# Altium PCB PCB.PcbDoc (continued)
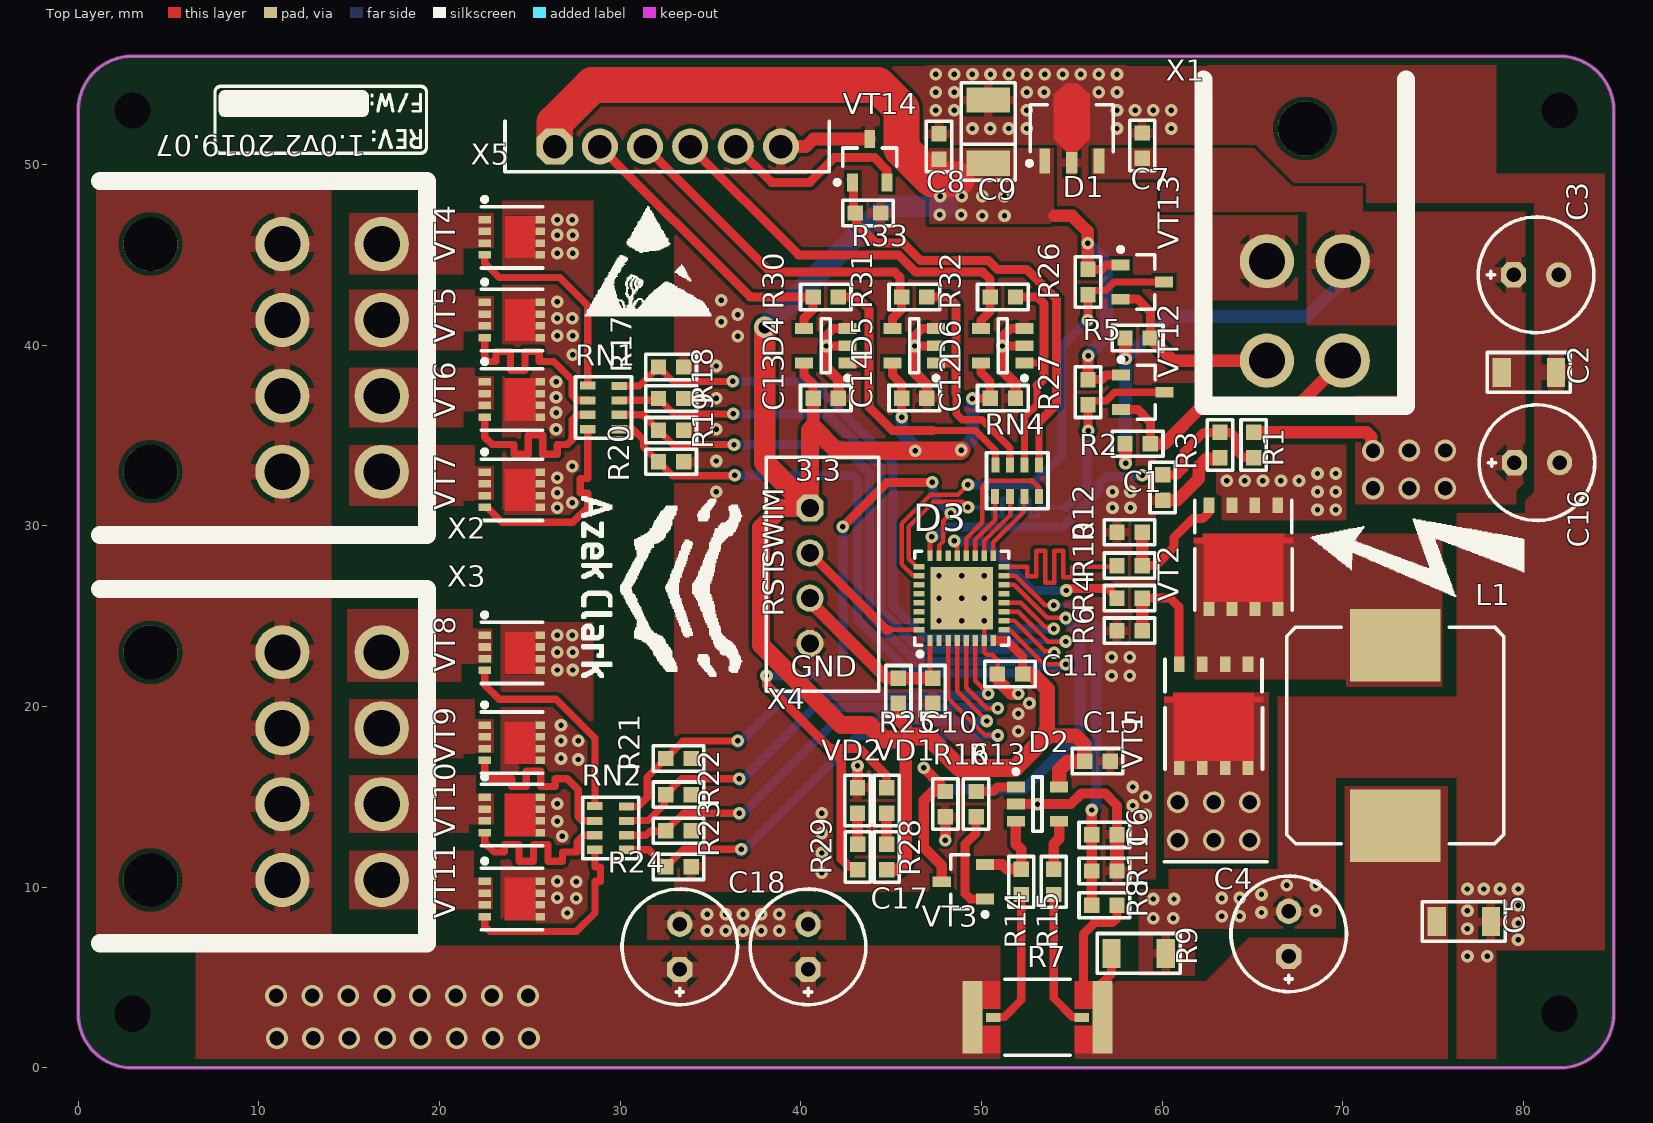
[diagram p0: Top Layer view]
## Footprints (in the part's own frame and the unit in brackets; to place one, negate y for a bottom-side part, rotate by r counter-clockwise, add the part's x,y. Pads: shape width x height; smd on the part's side, far side on the other; paste and mask are expansions set on the pad) (continued)
  silkscreen extent -9.8,-12.85 9.8,5.25, body extent -9,-16.45 9,3.36, height 11.33
D6.3C2.5H11 [mm] "Polar capacitor, diameter 6.3 mm, leads clearance 2.5 mm, height 11 mm"
  oct 1.4x1.4 hole 0.8: 1(-1.25,0)
  round 1.4 hole 0.8: 2(1.25,0)
  silkscreen extent -3.2,-3.2 3.2,3.2, body extent -3.4,-3.4 3.4,3.4, height 12.5
"IND: CDRH127" [mm]
  rect 4x5 smd: 1(-5,0) 2(5,0)
  silkscreen extent -6,-6 6,6, body extent -6,-6 6,6, height 8.05
"SHNT: CRA2512" [mm]
  rect 1.1x4 smd: 1(-3.6,0) 2(3.6,0)
  rect 0.8x0.5 smd: 3(-2.45,0) 4(2.45,0)
  Top Layer region: 3.05,2 2.05,2 2.05,0.45 3.05,0.45
  Top Layer region: 3.05,-0.45 2.05,-0.45 2.05,-2 3.05,-2
  Top Layer region: -3.05,0.45 -2.05,0.45 -2.05,2 -3.05,2
  Top Layer region: -3.05,-2 -2.05,-2 -2.05,-0.45 -3.05,-0.45
  silkscreen extent -1.8,-2.1 1.8,2.1, body extent -3.32,-1.77 3.33,1.78, height 1.1
SOT23-5 [mm] "SOT23, 5-Leads, Body 2,90x2,80mm, Pitch 0,95mm, IPC Medium Density"
  rect 1x0.6 smd: 1(-1.2,0.95) 2(-1.2,0) 3(-1.2,-0.95) 4(1.2,-0.95) 5(1.2,0.95)
  round 0.5 on Mech1: ""(-1.1,1.1)
  silkscreen extent -1.32,-1.5 0.25,1.92, body extent -1.5,-1.5 1.5,1.5, height 1.3
SOT23_132 [mm] "SOT23, 3-Leads, Body 3,0x2,6mm (max), Pitch 0,95mm, IPC Medium Density"
  rect 1x0.6 smd: 1(-1.2,0.95) 2(-1.2,-0.95) 3(1.2,0)
  round 0.5 on Mech1: ""(-0.9,1.1)
  silkscreen extent -1.33,-1.5 0.7,1.92, body extent -1.32,-1.52 1.32,1.52, height 1.12
SOT89_123 [mm] "SOT89, 3-Leads, Body 4,50x2,45mm, Pitch 1,50mm, Lead Span 4,1mm, IPC Medium Density"
  rect 1.4x0.6 smd: 1(-1.8,1.5) 3(-1.8,-1.5)
  rect 1.2x0.65 smd: 2(-1.9,0)
  round 0.5 on Mech1: ""(-1.8,1.8)
  Top Layer region: -1.3,0.3 -0.6,1 1.9,1 2.5,0.3 2.5,-0.3 1.9,-1 -0.6,-1 -1.3,-0.3
  silkscreen extent -2.05,-2.3 1.32,2.47, body extent -2.3,-2.25 2,2.25, height 1.51
TANTAL_B [mm]
  rect 1.4x2.4 smd: 1(-1.75,0) 2(1.75,0)
  round 0.5 on Mech1: ""(-1.4,1)
  silkscreen extent -2.7,-1.5 2.7,1.5, body extent -1.85,-1.46 1.85,1.47, height 2.03
"TRANS: PowerDI®3333-8" [mm] "8 leads, 0.65mm pitch, 3.3mm x 3.3mm body"
  rect 0.42x0.7 smd: 1(-0.975,1.5) 2(-0.325,1.5) 2(0.325,1.5) 2(0.975,1.5)
  rect 0.42x0.54 smd: 3(-0.975,-1.58) 3(-0.325,-1.58) 3(0.325,-1.58) 3(0.975,-1.58)
  Top Layer region: 1.185,0.4 -1.185,0.4 -1.185,-1.31 1.185,-1.31
  silkscreen extent -1.7,-1.7 2.2,1.7, body extent -1.65,-1.65 1.65,1.65, height 0.85

## Part data
C1 C6 C10 C11 C12 C13 C14 C15: library part Capacitor
C2 C5: library part Capacitor, Manufacturer=Murata, ComponentKind="50V, X7R", HelpURL=https://www.chipdip.ru/product/grm31cr71h475ka12l, Model=GRM31CR71H475KA12
C3 C4 C16 C17 C18: library part AlumCap, Manufacturer=BURNON, ComponentKind=35V, HelpURL=https://www.chipdip.ru/product0/8001594426, Model=-
C7 C8: library part Capacitor, Manufacturer="Murata Electronics Inc.", ComponentKind=X5R, HelpURL=https://www.terraelectronica.ru/product/2094261, Model=GRM188R71C105KE15D
C9: library part TantalCap
D1: library part L78LxxACUTR, "Step-down", Manufacturer="ST Microelectronics", ComponentKind="SOT-89, 100mA", HelpURL=https://www.st.com/resource/en/datasheet/l78l.pdf, Model=L78L33ACUTR
D2: library part MCP6001T, "OP amplifier", Manufacturer="Microchip Technology", ComponentKind=SOT23-5, HelpURL=https://www.digikey.com/product-detail/en/microchip-technology/MCP6001T-I-OT/MCP6001T-I-OTCT-ND/697158, Model=MCP6051T-E/OT
D3: "STM8", Manufacturer="ST Microelectronics", ComponentKind=UFQFPN28, HelpURL=https://ru.mouser.com/datasheet/2/389/stm8l151c4-956418.pdf, Model=STM8L151GxU6
D4 D5 D6: "OP amplifier", Manufacturer="Microchip Technology", ComponentKind=SOT23-5, HelpURL=https://www.digikey.com/product-detail/en/microchip-technology/MCP6001T-I-OT/MCP6001T-I-OTCT-ND/697158, Model=MCP6001T-I/OT
L1: library part Inductor, Manufacturer="Sumida Electric", ComponentKind=5.4A, HelpURL=https://www.chipdip.ru/product0/9000523882, Model=SCDS127T-100M-N
R1 R2 R3 R4 R5 R6 R8 R9 R10 R11 R12 R13 R14 R15 R16 R17 R18 R19 R20 R21 R22 R23 R24 R25 R26 R27 R28 R29 R30 R31 R32 R33: library part Resistor
  R1 R3 R8 R11: ComponentKind=±1%
R7: library part Shunt, Manufacturer=Bourns, ComponentKind=3W, HelpURL=https://static6.arrow.com/aropdfconversion/58bb460c8d6e9e02f20276cbc5e1de2f00a5855b/815cra.pdf, Model=CRA2512-FZ-R010ELF
RN1 RN2 RN4: library part "Resistor assembly", Manufacturer="Bourns GmbH.", HelpURL=https://www.terraelectronica.ru/pdf/show?pdf_file=https%253A%252F%252Fwww.mouser.com%252Fds%252F2%252F54%252FATCAY-777361.pdf, Model=CAT16-J4
VD1 VD2: library part LED
VT1 VT2: library part N-chanel, "Mosfet", Manufacturer=Rohm, ComponentKind="40V, 13A, 61mOm", HelpURL=https://www.rohm.com/datasheet/RQ3L050GN/rq3l050gntb-e, Model=RS1G120MNTB
VT3 VT12 VT13 VT14: library part N-chanel, "Mosfet", Manufacturer="ON Semiconductor", ComponentKind="0.2À, 60Â", HelpURL=https://static.chipdip.ru/lib/318/DOC000318735.pdf, Model=2N7002
VT4 VT5 VT6 VT7 VT8 VT9 VT10 VT11: library part N-chanel, "Mosfet", Manufacturer="Diodes Incorporated", ComponentKind="30V, 10A", HelpURL=https://www.diodes.com/assets/Datasheets/DMG7430LFG.pdf, Model=DMG7430LFG-7
X1 X4: library part 4-Connector
  X1: Model=MF-4MRA
  X4: Model=CWF-4
X2 X3: library part 8-Connector, Model=MF-8MRA
X5: library part 6-Connector, Model=CWF-6RB

## Free pads (board coordinates)
  round 0 hole 2 unplated paste+0: 0(3,3) 0(3,53) 0(82,53) 0(82,3)

## Via types
v1: diameter 0.7, hole 0.3, Top Layer to Bottom Layer, tented both sides, 198 vias
v2: diameter 1.2, hole 0.8, Top Layer to Bottom Layer, 28 vias
v3: diameter 0.7, hole 0.3, Top Layer to Bottom Layer, tented bottom, 9 vias
v4: diameter 1.2, hole 0.7, Top Layer to Bottom Layer, tented both sides, 1 vias

## Nets (pads, with @x,y where several pads share a name; then routed paths per layer and width w, separated by ;. In a path a pad name is that pad's centre, name@x,y a point inside that pad or via, vN(x,y) a via of type N, cw(c..) or ccw(c..) an arc to the next point about the centre after c; other vN are vias at no path point)
DCDC_ADC_VFB: C6.1 D3.15 R8.1 R11.2 | length 21.8
  Top Layer w0.25: D3.15 51.88,27.25 53.305,25.825 53.53,25.6 v1(54,25.6)
  Top Layer w0.6: R8.1 R11.2 C6.1 v1(56.1,14.275)
  Bottom Layer w0.25: v1(54,25.6) 55.225,25.6 56.35,24.475
  Bottom Layer w0.6: v1(56.1,14.275) 56.35,14.525 56.35,24.475
DCDC_ISENSE: D3.14 R16.2 VT3.3 | length 29.4
  Top Layer w0.25: D3.14 51.809,26.75 53.634,24.925 54.63,24.925 v1(54.655,24.9)
  Top Layer w0.6: v1(46.8,16.615) 47.684,15.732 47.684,15.616 R16.2 47.3,15.3 46.8,14.8 46.8,12.2 47.8,11.2 VT3.3
  Bottom Layer w0.6: v1(46.8,16.615) 47.99,15.425 52.35,15.425 55.455,18.53 55.455,24.073 54.655,24.873 v1(54.655,24.9)
DCDC_PWM_N: D3.16 R10.1 | length 13.7
  Top Layer w0.25: D3.16 51.78,27.75 52.03,27.75 52.53,27.75 52.53,27.222 53.03,27.222 53.03,27.75 53.03,28.634 53.53,28.634 53.53,27.75 53.53,26.866 54.03,26.866 54.03,27.75 54.03,28.634 54.53,28.634 54.53,27.75 54.53,27.157 55.03,27.157 55.03,27.75 55.225,27.75 55.875,27.75 57.2,27.75 R10.1@57.325,27.625
DCDC_PWM_P: D3.21 R4.1 | length 11.3
  Top Layer w0.25: v1(48.5,29.169) 48.5,29.047 48.65,28.897 D3.21
  Top Layer w0.5: v1(54.7,26.425) 54.7,26.475 54.748,26.523 57.032,26.523 57.325,26.23 57.325,26.175 R4.1
  Bottom Layer w0.5: v1@48.527,29.151 50.014,29.151 50.041,29.125 50.095,29.18 52.85,26.425 v1(54.7,26.425)
DCDC_VINSENSE: C1.1 D3.24 R1.1 R3.2 | length 23
  Top Layer w0.25: D3.24 47.15,29.3 v1(47.25,29.4)
  Top Layer w0.5: v1(58.9,32.8) 59.995,32.8 C1.1 60.842,32.83 61.205,33.193 61.205,34.08 62.305,35.18 R3.2 63.807,35.18 64.155,34.832 64.155,34.13 64.505,33.78 R1.1
  Bottom Layer w0.5: v1(47.25,29.4) 47.483,29.4 48.012,29.93 54.479,29.93 56.5,31.951 56.5,32.295 56.93,32.725 58.286,32.725 58.322,32.762 58.862,32.762 v1(58.9,32.8)
GND: C1.2 C2.1 C3.2 C4.2 C5.1 C6.2 C7.1 C8.1 C9.2 C10.1 C11.2 C12.1 C13.1 C14.1 C15.1 C16.2 C17.2 C18.2 D1.2 D2.2 D3.0 D3.7 D4.2 D4.3 D5.2 D5.3 D6.2 D6.3 R3.1 R6.1 R9.1 R11.1 R12.1 R16.1 R17.1 R18.1 R19.1 R20.1 R21.1 R22.1 R23.1 R24.1 R33.1 VD2.2 VT2.3 VT4.3 VT5.3 VT6.3 VT7.3 VT8.3 VT9.3 VT10.3 VT11.3 VT14.3 X1.2 X4.4 X5.6 | length 47.6
  Top Layer w0.25: v3(48.9,26) v3(50.15,24.75) D3.7 50.15,23.015 50.296,22.868 50.6,22.868 50.904,22.565 50.904,21.824 C11.2
  Top Layer w0.5: v1(41.4,39.957) v1@41.409,39.966 ; D4.2 42.571,39.966 v1@41.409,39.966 ; D4.3 41.8,40.925 41.409,40.534 v1@41.409,39.966 ; D5.2 47.471,39.966 46.309,39.966 46.309,40.534 46.7,40.925 D5.3 ; v1(51.15,39.957) v1@51.159,39.966 ; D6.2 52.371,39.966 v1@51.159,39.966 ; D6.3 51.58,40.925 51.188,40.534 51.188,39.995 v1@51.159,39.966
  Top Layer w0.55: D2.2 54.945,14.6 55.545,15.2 56.832,15.2 57.5,14.532 C6.2
  Top Layer w0.6: v1(41.4,39.957) 41.4,38.768 42.08,38.089 C13.1 ; VD2.2 v1@43.137,16.418 ; v1@46.309,39.966 v1(46.3,39.957) 46.3,38.489 46.98,37.809 C14.1 ; v1(48,12.6) R16.1 ; v1(51.15,39.957) 51.15,38.6 51.88,37.87 C12.1
  Top Layer w0.7: R24.1 R24.1@34,11.05 ; X5.6 40.28,51 40.7,51.42 VT14.3 ; C11.2 50.955,21.725 50.955,21.414 51.663,20.706 v1(52.03,20.706) ; C1.2@59.995,31.4 C1.2 60.842,31.43 62.03,32.618 62.03,33.295 62.44,33.705 63.13,33.705 R3.1
  Top Layer w0.8: R11.1 C6.2
  other v1: 76.9,6.17 78,6.17 79.7,7.1 34.808,7.6 35.85,7.6 36.8,7.6 37.8,7.6 38.8,7.6 76.9,7.7 79.7,8 59.5,8.287 60.605,8.287 63.3,8.4 64.3,8.4 34.808,8.5 35.85,8.5 36.8,8.5 37.8,8.5 38.8,8.5 27.075,8.575 65.5,8.6 68.5,8.7 76.9,8.7 79.7,9 59.5,9.35 60.655,9.35 27.575,9.395 63.3,9.4 64.3,9.4 26.515,9.423 65.5,9.6 76.9,9.9 77.8,9.9 78.7,9.9 79.7,9.9 66.9,10.1 68.5,10.1 27.575,10.3 26.515,10.325 41.15,10.797 41.15,11.897 26.8,12.815 41.15,12.997 26.515,13.65 59.1,14 41.15,14.097 58.375,14.525 53.1,14.6 26.515,14.612 59.1,15 58.375,15.55 43.137,16.718 27.675,17.071 26.725,17.129 26.725,18.108 27.675,18.108 52.03,18.625 26.725,18.975 52.03,19.6 52.655,20.175 57.2,21.7 58.2,21.7 26.515,22.023 27.375,22.023 57.2,22.725 58.2,22.725 26.515,23 27.375,23 26.515,23.95 27.35,23.95 68.6,30.9 69.6,30.9 26.515,31 57.25,31 58.25,31 27.35,31.275 26.515,31.825 35.308,31.9 57.25,31.9 58.25,31.9 68.6,31.9 69.6,31.9 63.575,32.5 64.575,32.5 65.58,32.5 66.575,32.5 67.575,32.5 26.515,32.657 68.6,32.9 69.6,32.9 27.35,33.3 35.308,33.591 26.45,35.35 35.308,35.35 26.45,36.275 35.308,37.075 26.45,37.119 26.45,37.975 35.308,38.85 27.375,39.475 36.5,40.5 26.515,40.534 27.375,40.534 35.6,41.3 26.515,41.5 27.35,41.5 36.5,41.7 26.515,42.405 35.6,42.5 26.515,45.1 27.375,45.1 26.515,46.1 27.375,46.1 26.515,46.95 27.35,46.95 49.5,52 50.48,52 51.5,52 52.5,52 57.5,52 60.5,52 47.471,53 48.5,53 52.5,53 57.5,53 58.5,53 59.5,53 60.5,53 47.471,54 48.5,54 52.5,54 53.463,54 56.5,54 57.5,54 47.471,55 48.5,55 49.5,55 50.5,55 51.5,55 52.5,55 53.5,55 54.5,55 55.5,55 56.5,55 57.5,55
  other v3: 47.65,24.75 48.9,24.75 47.65,26 50.15,26 47.65,27.25 48.9,27.25 50.15,27.25
I2C_IN_SCL: R5.1 VT13.2 X1.4 | length 10.4
  Top Layer w0.5: VT13.2 58.645,42.55 59.345,41.85 R5.1
  Top Layer w0.7: R5.1 60.595,39.15 X1.4
I2C_IN_SDA: R2.1 VT12.2 X1.3 | length 15.7
  Top Layer w0.5: VT12.2 58.645,36.45 59.345,35.75 R2.1
  Top Layer w0.7: R2.1 60.12,34.55 62.295,36.725 67.575,36.725 X1.3
IRRANGE_ADC_1: D3.17 RN4.7 | length 4
  Top Layer w0.25: D3.17 50.65,29.089 52.38,30.819 RN4.7
IRRANGE_ADC_2: D3.18 RN4.6 | length 3.9
  Top Layer w0.25: D3.18 50.15,29.169 51.58,30.598 RN4.6
IRRANGE_ADC_3: D3.19 RN4.5 | length 3.7
  Top Layer w0.25: D3.19 49.65,29.234 50.755,30.339 RN4.5
IRRANGE_LEDs: D3.20 RN4.8 | length 8.1
  Top Layer w0.25: D3.20 49.152,28.352 49.152,29.302 50.05,30.2 50.05,32.175 50.375,32.5 52.72,32.5
  Top Layer w0.3: 52.72,32.5 52.809,32.5 53.18,32.13 RN4.8
NetC4_1: C4.1 C5.2 L1.1 R7.1 R8.2 R9.2 | length 11.3
  Top Layer w0.5: 55.6,3.9 56.4,3.9 R7.1@56.7,3.6 ; 55.655,4.05 55.65,4.055 55.65,7.42 56.266,8.036 57.25,8.036 57.5,8.287 R8.2 ; R7.1 R7.1@56.7,3.6 ; R9.2 57.2,5.22 56.7,4.72 R7.1@56.7,3.6
NetD2_1: D2.1 R13.2 | length 2.3
  Top Layer w0.5: R13.2 50.65,15.3 50.9,15.55 D2.1
NetD2_3: D2.3 R14.1 VT3.2 | length 4.9
  Top Layer w0.6: VT3.2 51.15,11.25 51.4,11 R14.1 52.2,12.1 51.9,12.4 D2.3
NetD2_4: D2.4 R15.1 | length 2.8
  Top Layer w0.6: R15.1 54,12.4 54.3,12.7 D2.4
NetD4_1: D4.1 R30.2 RN4.4 | length 17.4
  Top Layer w0.4: 47.3,35.275 49.675,35.275 50.78,34.17 RN4.4
  Top Layer w0.5: R30.2 43.1,42.675 43.775,42 43.775,39.025 ; D4.1 43.775,39.025 ; 47.3,35.275 45.078,35.275 43.775,36.578 43.775,39.025
NetD4_4: D4.4 R30.1 X5.2 | length 17.2
  Top Layer w0.5: X5.2 37.2,42.675 R30.1 40.68,42 40.18,41.5 D4.4
NetD5_1: D5.1 R31.2 RN4.3 | length 13.7
  Top Layer w0.4: 48.6,37.325 48.6,36.211 48.936,35.875 50.025,35.875 51.58,34.32 RN4.3
  Top Layer w0.5: R31.2 48.15,42.675 48.6,42.225 48.6,39.02 ; D5.1 47.484,39.02 48.6,39.02 ; 48.6,37.325 48.6,39.02
NetD5_4: D5.4 R31.1 X5.3 | length 20.2
  Top Layer w0.5: X5.3 38.325,44.05 45.2,44.05 45.5,43.75 45.5,42.755 R31.1 45.58,42 45.08,41.5 D5.4
NetD6_1: D6.1 R32.2 RN4.2 | length 12
  Top Layer w0.4: D6.1@52.375,39.02 D6.1 53.238,39.025 ; RN4.2 52.38,36.025 53.08,36.725 53.08,37.775
  Top Layer w0.5: R32.2 53.08,42.675 53.463,42.292 53.463,38.8 53.463,38.158 53.08,37.775
NetD6_4: D6.4 R32.1 X5.4 | length 22.6
  Top Layer w0.5: X5.4 39.875,45 45.4,45 46.35,44.05 50.075,44.05 50.48,43.645 R32.1 50.48,41.875 49.98,41.375 D6.4
NetL1_2: L1.2 VT1.3 VT2.2
NetR4_2: R4.2 R6.2 VT1.1 | length 7.2
  Top Layer w0.5: R4.2 60.455,26 60.945,25.51 VT1.1 VT1.1@60.93,22.365
  Top Layer w0.7: R6.2 R4.2
NetR7_3: R7.3 R15.2 | length 7.7
  Top Layer w0.45: R15.2 54,3.87 55.045,2.825 55.525,2.825 R7.3
NetR7_4: R7.4 R14.2 | length 7.8
  Top Layer w0.45: R7.4 50.675,2.825 51.275,2.825 52.2,3.75 R14.2
NetR10_2: R10.2 R12.2 VT2.1 | length 7.5
  Top Layer w0.5: R10.2 59.639,27.8 60.655,28.816 60.655,29.35 61.705,30.4 62.239,30.4 62.58,30.741 62.58,31.135 VT2.1
  Top Layer w0.7: R10.2 R12.2
NetR13_1: R13.1 VT3.1 | length 5.7
  Top Layer w0.5: R13.1 49.7,13 49.1,12.4 49.1,9.643 49.393,9.35 VT3.1
NetR28_1: R28.1 VD1.1 | length 1.7
  Top Layer w0.6: R28.1 VD1.1
NetR29_2: R29.2 VD2.1 | length 1.7
  Top Layer w0.6: VD2.1@43.137,13.8 VD2.1@43.143,13.793 ; VD2.1 43.143,14.093 VD2.1@43.143,13.793 ; R29.2 43.143,12.382 VD2.1@43.143,13.793
NetR33_2: R33.2 RN4.1 VT14.1 | length 24.8
  Top Layer w0.4: RN4.1 53.18,35.75
  Top Layer w0.5: VT14.1@42.78,49.166 VT14.1@42.83,49.216 ; VT14.1 42.916,48.97 42.916,47.42 R33.2 43.09,47.245 43.09,46.73 44.17,45.65 45.655,45.65 45.669,45.65 46.619,44.7 50.38,44.7 50.88,44.2 52.505,44.2 54.155,42.55 54.155,36.725 53.18,35.75
NetRN1_5: RN1.5 VT4.1 | length 11.5
  Top Layer w0.4: VT4.1 22.5,44.55 23.3,43.75 26.65,43.75 28.2,42.2 RN1.5
NetRN1_6: RN1.6 VT5.1 | length 11.5
  Top Layer w0.4: VT5.1 22.5,39.325 22.725,39.1 23.125,39.1 23.125,39.657 23.925,39.657 23.925,39.1 23.925,38.604 24.725,38.604 24.725,39.1 24.725,39.657 25.525,39.657 25.525,39.1 26.2,39.1 26.325,39.1 27.35,38.075 27.35,37.225 27.625,36.95 RN1.6
NetRN1_7: RN1.7 VT6.1 | length 11.5
  Top Layer w0.4: VT6.1 22.5,34.915 22.915,34.5 23.315,34.5 24.115,34.5 24.115,33.968 24.915,33.968 24.915,34.5 24.915,35.032 25.715,35.032 25.715,34.5 25.715,33.968 26.515,33.968 26.515,34.5 27.075,34.5 27.35,34.775 27.35,35.875 27.625,36.15 RN1.7
NetRN1_8: RN1.8 VT7.1 | length 11.5
  Top Layer w0.4: VT7.1 22.64,31.025 23.465,30.2 27.375,30.2 28.2,31.025 28.2,31.425 28.2,31.825 27.79,31.825 27.79,32.625 28.2,32.625 28.2,33.188 RN1.8
NetRN2_5: RN2.5 VT8.1 | length 11.9
  Top Layer w0.4: VT8.1 22.5,21.2 23.3,20.4 26.45,20.4 28.6,18.25 RN2.5
NetRN2_6: RN2.6 VT9.1 | length 11.3
  Top Layer w0.4: VT9.1 22.5,16.3 22.8,16 23.2,16 24,16 24,15.582 24.8,15.582 24.8,16 24.8,16.418 25.6,16.418 25.6,16 25.6,15.582 26.4,15.582 26.4,16 26.725,16 27.075,16 27.675,15.4 27.675,13.9 27.9,13.675 RN2.6
NetRN2_7: RN2.7 VT10.1 | length 11.3
  Top Layer w0.4: VT10.1 22.5,12.463 23.012,11.95 23.2,11.95 23.6,11.95 23.6,12.359 24.4,12.359 24.4,11.95 24.4,11.432 25.2,11.432 25.2,11.95 25.2,12.358 26,12.358 26,11.95 26,11.432 26.8,11.432 26.8,11.95 27.625,11.95 27.625,12.525 27.975,12.875 RN2.7
NetRN2_8: RN2.8 VT11.1 | length 11.3
  Top Layer w0.4: VT11.1 22.5,7.85 22.8,7.55 27.575,7.55 28.6,8.575 28.6,9.125 28.6,10.325 28.913,10.325 28.913,11.125 28.6,11.125 28.6,11.525 RN2.8
NetVT4_2: VT4.2 X2.5
NetVT5_2: VT5.2 X2.6
NetVT6_2: VT6.2 X2.7
NetVT7_2: VT7.2 X2.8
NetVT8_2: VT8.2 X3.5
NetVT9_2: VT9.2 X3.6
NetVT10_2: VT10.2 X3.7
NetVT11_2: VT11.2 X3.8
NetVT14_2: VT14.2 X5.5 | length 10.4
  Top Layer w0.5: X5.5 38.38,49.02 40.5,49.02 41.862,50.383 43.816,50.383 ; 44.083,50.383 44.766,49.7 VT14.2
PWM_LED1_BLUE: D3.11 R18.2 RN1.3 | length 39.4
  Top Layer w0.25: D3.11 52.03,25.25 53.68,23.6 v1(54.655,23.6)
  Top Layer w0.4: RN1.3 32.025,36.95 R18.2 32.975,36.2 v1(36.25,36.2)
  Bottom Layer w0.3: 51.9,23.6 51.925,23.625 54.63,23.625 v1(54.655,23.6)
  Bottom Layer w0.5: v1(36.25,36.2) 41.456,36.2 44.45,33.206 44.45,25.324 46.624,23.15 51.45,23.15 51.9,23.6
PWM_LED1_GREEN: D3.12 R17.2 RN1.4 | length 38.9
  Top Layer w0.25: D3.12 52.18,25.75 53.544,24.386 53.914,24.386 v1(54,24.3)
  Top Layer w0.4: RN1.4 31.075,37.75 R17.2 32.925,38 v1(36.225,38)
  Bottom Layer w0.5: v1(36.225,38) 40.575,38 45.1,33.475 45.1,25.593 46.893,23.8 51.15,23.8 51.65,24.3 v1(54,24.3)
PWM_LED1_RED: D3.10 R19.2 RN1.2 | length 38.1
  Top Layer w0.25: D3.10 51.825,24.75 53.514,23.061 53.939,23.061 v1(54.025,22.975)
  Top Layer w0.4: RN1.2 31.275,36.15 R19.2 32.925,34.5 v1(36.3,34.5)
  Bottom Layer w0.5: v1(36.3,34.5) 42.237,34.5 43.8,32.937 43.8,25.054 46.354,22.5 51.719,22.5 52.194,22.975 v1(54.025,22.975)
PWM_LED1_WW: D3.9 R20.2 RN1.1 | length 39.5
  Top Layer w0.25: D3.9 51.275,24.225 51.588,24.225 53.463,22.35 v1(54.655,22.35)
  Top Layer w0.4: RN1.1 30.7,35.35 31.3,34.75 31.3,34.375 R20.2 32.9,32.775 36.325,32.775 v1(36.35,32.8)
  Bottom Layer w0.5: v1(36.35,32.8) 42.857,32.8 43.15,32.507 43.15,24.785 46.085,21.85 52.175,21.85 52.55,22.225 54.336,22.225 54.422,22.312 54.616,22.312 v1(54.655,22.35)
PWM_LED2_BLUE: D3.5 R22.2 RN2.3 | length 28.3
  Top Layer w0.25: D3.5 49.15,21.047 50.297,19.9 v1(50.9,19.9)
  Top Layer w0.4: RN2.3 30.375,13.7 31.55,13.7 32.45,14.6 R22.2@32.45,15.1 ; R22.2 33.4,16 v1(36.6,16)
  Bottom Layer w0.5: v1@36.6,15.8 40.75,19.95 50.85,19.95 v1(50.9,19.9)
PWM_LED2_GREEN: D3.6 R21.2 RN2.4 | length 26.3
  Top Layer w0.25: D3.6 49.65,21.431 v1(50.375,20.706)
  Top Layer w0.4: RN2.4@30.675,14.475 31,14.475 31.5,14.975 31.5,16.1 31.734,16.334 R21.2 ; R21.2@32.45,17.2 32.6,17.2 33.45,18.05 33.45,18.1 v1(36.5,18.1)
  Bottom Layer w0.5: v1@36.5,17.9 39.2,20.6 50.269,20.6 v1(50.375,20.706)
PWM_LED2_RED: D3.4 R23.2 RN2.2 | length 28
  Top Layer w0.25: D3.4 48.65,20.85 v1(50.3,19.2)
  Top Layer w0.4: RN2.2 31.436,12.875 31.661,13.1 R23.2@32.6,13.1 ; R23.2@32.45,13.2 R23.2 33.5,14.1 v1(36.6,14.1)
  Bottom Layer w0.5: v1@36.6,13.9 41.9,19.2 v1(50.3,19.2)
PWM_LED2_WW: D3.3 R24.2 RN2.1 | length 30.8
  Top Layer w0.25: D3.3 48.15,20.466 50.216,18.4 v1(50.9,18.4)
  Top Layer w0.4: RN2.1 30.354,12.071 31.579,12.071 32.5,11.15 32.55,11.15 33.5,12.1 v1(36.7,12.1)
  Bottom Layer w0.5: v1@36.7,11.9 43.2,18.4 v1(50.9,18.4)
STM8_I2C_SCL: D3.26 R26.1 VT13.3 | length 27.9
  Top Layer w0.25: D3.26 46.525,27.275 46.186,27.275 45.575,27.886 45.575,30.125 47.175,31.725 48.7,31.725 v1(49.25,32.275)
  Top Layer w0.4: R26.1 56.12,43.025 56.88,43.025 57.355,43.5 VT13.3
  Top Layer w0.5: v1(55.875,41.375) 55.885,41.385 55.885,42.79 R26.1
  Bottom Layer w0.5: v1@49.25,32.27 52.82,32.27 54.425,33.875 54.425,39.957 54.718,40.25 54.75,40.25 v1(55.875,41.375)
STM8_I2C_SDA: D3.25 R27.1 VT12.3 | length 28.4
  Top Layer w0.25: D3.25 46.4,27.75 45.975,28.175 45.975,29.959 47.341,31.325 48.95,31.325 v1(49.25,31.025)
  Top Layer w0.4: R27.1 56.12,36.925 56.9,36.925 57.375,37.4 VT12.3
  Top Layer w0.5: R27.1 55.9,36.695 v1(55.9,35.275)
  Bottom Layer w0.25: v1(49.25,31.025) 49.9,31.025 50.15,31.025 50.15,31.507 50.65,31.507 50.65,31.025 50.65,30.543 51.15,30.543 51.15,31.025 51.15,31.507 51.65,31.507 51.65,31.025 51.65,30.543 52.15,30.543 52.15,31.025 52.15,31.507 52.65,31.507 52.65,31.025 52.65,30.543 53.15,30.543 53.15,31.025 53.725,31.025 54.655,31.025
  Bottom Layer w0.5: 54.655,31.025 55.85,32.22 55.85,33.696 55.9,33.746 v1(55.9,35.275)
STM8_RST: C10.2 D3.1 R25.1 X4.3 | length 10.9
  Top Layer w0.25: D3.1 47.15,21.725 C10.2
  Top Layer w0.7: X4.3 40.5,25.825 44.75,21.575 R25.1 C10.2
STM8_STATUS: D3.23 R29.1 VD1.2 | length 40
  Top Layer w0.25: D3.23 47.65,28.916 47.875,29.141 47.875,30.275 v1(48.3,30.7)
  Top Layer w0.5: v1(38.1,21.7) 38.1,21.2 41.625,17.675 ; v1(42.33,29.959) 44.781,32.41 v1(47.28,32.41) ; R29.1 42.975,11.15 42.659,11.15 42.237,11.573 42.237,17.063 41.625,17.675 ; VD1.2 44.75,16.176 43.251,17.675 41.625,17.675
  Bottom Layer w0.5: v1(38.1,21.7) 41.206,21.7 42.33,22.824 v1(42.33,29.959) ; v1(47.28,32.41) 47.318,32.372 47.318,31.682 v1(48.3,30.7)
STM8_SWIM: D3.32 X4.2 | length 7.8
  Top Layer w0.25: 44.85,24.25 D3.32
  Top Layer w0.5: X4.2 44.75,24.25 44.85,24.25
VCC33: C8.2 C9.1 C11.1 C12.2 C13.2 C14.2 C15.2 D1.1 D2.5 D3.8 D4.5 D5.5 D6.5 R25.2 R26.2 R27.2 R28.2 VT12.1 VT13.1 X4.1 X5.1 | length 149.2
  Top Layer w0.5: D4.5 40.18,38.35 40.68,37.85 C13.2 ; D5.5 45.08,38.35 45.58,37.85 C14.2 v1(45.58,36.025) ; v1(49.5,37.05) 49.512,37.063 50.467,37.063 C12.2 50.48,37.98 49.98,38.48 D6.5 ; D3.8@50.8,23.65 51.4,23.65 52.28,22.77 C11.1 ; R27.2 56.655,38.1 56.905,38.35 VT12.1 ; R26.2 56.655,44.2 56.905,44.45 VT13.1
  Top Layer w0.6: R27.2 55.9,38.105 v1(55.9,39.425)
  Top Layer w0.7: 40.68,35.471 C13.2 ; R28.2 45.4,10.975 45.8,11.375 45.8,18.168 ; R25.2 45.4,19.3 45.8,18.9 45.8,18.168 ; 45.972,18.34 45.8,18.168 ; 54.025,47.16 55.015,47.16 55.875,46.3 v1(55.875,45.65) 55.875,44.22 R26.2
  Top Layer w0.8: 53.634,18.394 55.224,18.394 55.693,17.925 55.693,17.007 C15.2 55.693,16.957 54.769,16.957 54.3,16.488 D2.5@54.3,15.7
  Top Layer w0.85: C11.1 52.809,21.8 53.634,20.975 53.634,18.647
  Top Layer w1: 45.8,18.168 44.603,18.168 43.797,18.975 42.239,18.975 37.8,23.414 37.8,29.9 38.9,31 X4.1 40.5,35.291 40.68,35.471 41.99,34.16 v1(46.332,34.16) 48.849,34.16 v1(48.889,34.2) ; 45.972,18.34 47.04,18.34 48.78,16.6 51.84,16.6 53.634,18.394 53.634,18.647
  Top Layer w1.2: v4(38,41) 38,33.5 X4.1
  Top Layer w2: X5.1 26.375,52.325 28.45,54.4 44.27,54.4 45.575,53.095 45.575,50.87 47.28,49.166 48.65,49.166
  Bottom Layer w0.7: v1(45.58,36.025) 45.58,35.145 46.332,34.393 v1(46.332,34.16) ; v1(48.889,34.2) 49.5,34.811 v1(49.5,37.05) ; v1(55.875,45.65) 55.875,45.625 56.93,44.57 56.93,40.455 v1(55.9,39.425)
  Bottom Layer w1.2: v4(38,41) 44.7,47.7 48.1,47.7
  other v1: 50.05,47.16 51.275,47.16 47.698,47.219 48.889,47.219 47.709,48.25 48.9,48.25 50.05,48.25 51.275,48.25
VCCIN: C2.2 C3.1 C7.2 C16.1 D1.3 R1.2 R2.2 R5.2 VT1.2 X1.1 | length 30.4
  Top Layer w0.7: R2.2 57.925,34.53 57.975,34.48 v1(57.975,33.475) ; R5.2 57.975,40.37 v1(57.975,39.251) ; R1.2 71.32,35.18 71.575,34.925 71.575,34.256 v2(71.671,34.16)
  Bottom Layer w0.7: v1(57.975,33.475) v1(57.975,39.251) 60.314,41.59 68.029,41.59 70,43.561 X1.1
  other v2: 60.855,12.6 62.855,12.6 64.855,12.6 60.855,14.7 62.855,14.7 64.855,14.7 71.671,32.075 73.671,32.075 75.671,32.075 73.671,34.175 75.671,34.175
VCCLED: C17.1 C18.1 R7.2 X2.1 X2.2 X2.3 X2.4 X3.1 X3.2 X3.3 X3.4
  other v2: 11,1.647 13,1.647 15,1.647 17,1.647 18.95,1.647 20.95,1.647 22.95,1.647 24.95,1.647 10.95,4 12.95,4 14.95,4 16.95,4 18.9,4 20.9,4 22.9,4 24.9,4
pads on no net: C9. D1. D2. D3.2 D3.13 D3.22 D3.27 D3.28 D3.29 D3.30 D3.31 D4. D5. D6. VT1. VT2. VT3. VT12. VT13. VT14. X1.0 X2.0 X3.0 X4.30 X5.30

## Polygon pours and split planes (outlines as drawn)
GND on Bottom Layer "GND_L02_P046" (solid, remove dead copper, pour order 46): 34.8,48.5 23.5,48.5 23.5,55.5 62.5,55.5 62.5,37.98 59.2,37.98 59.2,10.5 58.2,10.5 58.2,9.8 34.8,9.8
VCC33 on Bottom Layer "VCC33_L02_P030" (solid, pour order 30): 47.1,50.9 47.1,46.7 54.025,46.7 54,46.725 54,50.9
GND on Bottom Layer "GND_L02_P026" (solid, pour order 26): 34.3,48 34.3,9.2 59.7,9.2 59.7,37.447 84.5,37.447 84.5,6.5 78.5,6.5 78.5,0.5 27.5,0.5 27.5,7.8 21.2,7.8 21.2,48
GND on Bottom Layer "GND_L02_P111" (solid, pour order 111): 67.5,42.161 62.5,42.161 62.5,46.9 67.5,46.9
GND on Bottom Layer "GND_L02_P103" (solid, pour order 103): 87.3,37.7
GND on Bottom Layer "GND_L02_P066" (solid, pour order 66): 72,37.4 72,46.9 67.5,46.9 62.5,46.9 62.5,55.5 78.5,55.5 78.5,49.5 84.5,49.5 84.5,37.4
VCCIN on Bottom Layer "VCCIN_L02_P022" (solid, pour order 22): 76.4,34.972 76.4,16.5 65.921,16.5 65.921,11.6 60,11.6 60,21 70.7,21 70.7,34.972
VCCLED on Bottom Layer "VCCLED_L02_P000" (solid, pour order 0): 0.9,49.2 14,49.2 14,6.8 26.5,6.8 26.5,0.5 6.5,0.5 6.5,6.6 1,6.6
GND on Top Layer "GND_L01_P099" (solid, remove dead copper, pour order 99): 33,47.42 23.5,47.42 23.5,55.449 62.5,55.449 62.5,37.929 59.639,37.929 59.639,10.449 58.2,10.449 58.2,9.749 33,9.749
GND on Top Layer "GND_L01_P115" (solid, pour order 115): 31.5,7.1 31.5,9 42.5,9 42.5,7.1
GND on Top Layer "GND_L01_P113" (solid, pour order 113): 31.7,7.1
VCC33 on Top Layer "VCC33_L01_P028" (solid, pour order 28): 47.1,50.9 47.1,46.73 54,46.73 54,50.9 52.3,50.9
VCCIN on Top Layer "VCCIN_L01_P058" (solid, pour order 58): 70.7,31.2 79.6,31.2 79.6,31.955 80.1,32.455 80.1,47.4 68,47.4 68,41.1 73.5,41.1 73.5,37.2 70.7,37.2
GND on Top Layer "GND_L01_P109" (solid, pour order 109): 66.405,10.6 66.405,20.55 76.3,20.55 76.3,16.05 69.6,16.05 69.6,10.6
VCCIN on Top Layer "VCCIN_L01_P060" (solid, pour order 60): 59.9,49.2 61,49.2 61,50.9 65.1,50.9 67.2,48.8 71.1,48.8 71.1,47.4 59.9,47.4
GND on Top Layer "GND_L01_P107" (solid, pour order 107): 61,49.2
GND on Top Layer "GND_L01_P105" (solid, pour order 105): 70.2,30.3 70.2,34.5 66,34.5 66,33 63,33 63,31.7 63.3,31.7 63.3,30.3
GND on Top Layer "GND_L01_P064" (solid, pour order 64): 76.3,29.5 76.3,30.692 80.1,30.692 80.1,31.38 80.6,31.88 80.6,47.9 67.5,47.9 67.5,42.5 62.5,42.5 62.5,55.5 78.5,55.5 78.5,49.5 84.5,49.5 84.5,29.5
GND on Top Layer "GND_L01_P054" (solid, pour order 54): 69.6,7.7 69.6,10.989 60.355,10.989 60.355,7.7
NetC4_1 on Top Layer "NETC4_1_L01_P042" (solid, pour order 42): 70.1,15.6 70.1,7.2 64.8,7.2 62.4,4.8 55.2,4.8 55.2,0.5 75.8,0.5 75.8,15.6
NetL1_2 on Top Layer "NETL1_2_L01_P052" (solid, pour order 52): 65.9,21.5 70.191,21.5 70.191,21.073 70.218,21.1 75.5,21.1 75.5,29.575 61.8,29.575 61.8,21.5
NetL1_2 on Top Layer "NETL1_2_L01_P050" (solid, pour order 50): 65.9,21.5
VCCIN on Top Layer "VCCIN_L01_P048" (solid, pour order 48): 65.9,20.8 65.9,11.6 60.12,11.6 60.12,20.8
GND on Top Layer "GND_L01_P044" (solid, pour order 44): 76.3,29.5 76.3,0.5 78.5,0.5 78.5,6.5 84.5,6.5 84.5,29.5
VCCLED on Top Layer "VCCLED_L01_P002" (solid, pour order 2): 1,49.5 14,49.5 14,6.75 29.25,6.75 51.05,6.75 51.05,0.5 6.5,0.5 6.5,6.5 1,6.5
GND on Top Layer "GND_L01_P036" (solid, pour order 36): 58.7,5.1 58.7,9.9 61.8,9.9 61.8,5.1
GND on Top Layer "GND_L01_P034" (solid, pour order 34): 46.98,55.5 46.98,51.32 47,51.3 61,51.3 61,53.5 58,53.5 58,55.5
VCCIN on Top Layer "VCCIN_L01_P032" (solid, pour order 32): 56.1,50.9 56.1,49.2 61,49.2 61,50.9
GND on Top Layer "GND_L01_P024" (solid, pour order 24): 23.4,24.671 28.5,24.671 28.5,8 23.4,8
GND on Top Layer "GND_L01_P020" (solid, remove dead copper, pour order 20): 23.465,48 28.5,48 28.5,30.2 23.465,30.2
NetVT4_2 on Top Layer "NETVT4_2_L01_P018" (solid, pour order 18): 15,43.929 21.3,43.929 21.3,45.38 21.32,45.38 23.012,45.38 23.012,47.3 21.95,47.3 20.779,47.3 15,47.3
NetVT5_2 on Top Layer "NETVT5_2_L01_P016" (solid, pour order 16): 15,39.729 21.3,39.729 21.3,40.78 21.32,40.78 23.012,40.78 23.012,42.7 21.95,42.7 21.95,43.071 21.15,43.071 15,43.071
NetVT6_2 on Top Layer "NETVT6_2_L01_P014" (solid, pour order 14): 15,35.471 21.3,35.471 21.3,36.355 21.32,36.355 23.012,36.355 23.012,38.275 21.95,38.275 21.95,38.768 21.272,38.768 15,38.768
NetVT7_2 on Top Layer "NETVT7_2_L01_P012" (solid, pour order 12): 15,31.129 21.3,31.129 21.3,31.38 21.32,31.38 23.012,31.38 23.012,33.3 21.95,33.3 21.95,34.471 15,34.471
NetVT8_2 on Top Layer "NETVT8_2_L01_P010" (solid, pour order 10): 14.9,21.375 21.2,21.375 21.2,22.38 21.22,22.38 22.912,22.38 22.912,24.3 21.85,24.3 21.85,25.471 21.779,25.4 14.9,25.4
NetVT9_2 on Top Layer "NETVT9_2_L01_P008" (solid, pour order 8): 15,17.129 21.3,17.129 21.3,17.38 21.32,17.38 23.012,17.38 23.012,19.3 21.95,19.3 21.95,20.471 21.879,20.4 15,20.4
NetVT10_2 on Top Layer "NETVT10_2_L01_P006" (solid, pour order 6): 15,13.025 21.625,13.025 21.625,13.475 23.012,13.475 23.012,15.185 22.015,15.185 22,15.2 22,16.2 15,16.2
NetVT11_2 on Top Layer "NETVT11_2_L01_P004" (solid, pour order 4): 15,12.025 21.9,12.025 21.9,10.535 22.95,10.535 22.95,8.775 15,8.775

## Keep-outs
Keep-Out Layer:
  the board outline again, w0.2

## Silkscreen, mask and mechanical layers (free items; w line width, h text height)
Top Overlay:
  drawing of 2581 lines, arcs and shapes, not listed
  text "1.0v2 2019.07" at 15.928,52.005 h2 r180
  text "3.3" at 39.7,32.1 h2
  text "SWIM" at 39.45,27.653 h2 r90
  text "RST" at 39.45,24.986 h2 r90
  text "GND" at 39.45,21.275 h2
Bottom Overlay:
  drawing of 284 lines, arcs and shapes, not listed
Top Solder:
  circle w2: c82,53 r2
  circle w2: c82,3 r2
  circle w2: c3,3 r2
  circle w2: c3,53 r2
  region: 43.3,4.2 48.9,4.2 48.9,2.9 43.3,2.9
  region: 71.671,34.175 71.671,32.075 76.7,32.075 76.7,38.2 76.7,42.3 76.7,46.3 74.3,46.3 74.3,34.175
  region: 72,25.5
  region: 29.2,3 48.9,3 48.9,1.1 29.2,1.1
  region: 57.2,4 71.5,4 71.5,11.4 74.2,11.4 74.2,1.5 57.2,1.5
  region: 74.5,10.3
  region: 30.5,4 11,4 11,1.647 30.5,1.647
  region: 85,50 79,50 79,56 82,56 82,53 85,53
  region: 79,0 79,6 85,6 85,3 82,3 82,0
  region: 0,6 6,6 6,0 3,0 3,3 0,3
  region: 6,56 6,50 0,50 0,53 3,53 3,56
  region: 82,51
  region: 80,3
  region: 5,53
Bottom Solder:
  circle w2: c82,53 r2
  circle w2: c82,3 r2
  circle w2: c3,3 r2
  circle w2: c3,53 r2
  region: 0,6 6,6 6,0 3,0 3,3 0,3
  region: 75.671,34.175 75.671,17.1 64.855,17.1 64.855,12.6 60.9,12.6 60.9,20.3 71.671,20.3 71.671,34.175
  region: 24.95,4 24.95,1.647 7.5,1.647 7.5,7.2 7.5,45.6 11.3,45.6 11.3,4
  region: 85,50 79,50 79,56 82,56 82,53 85,53
  region: 79,0 79,6 85,6 85,3 82,3 82,0
  region: 6,56 6,50 0,50 0,53 3,53 3,56